# KiCad board sun3_60_layout2_routing2.kicad_pcb (continued)
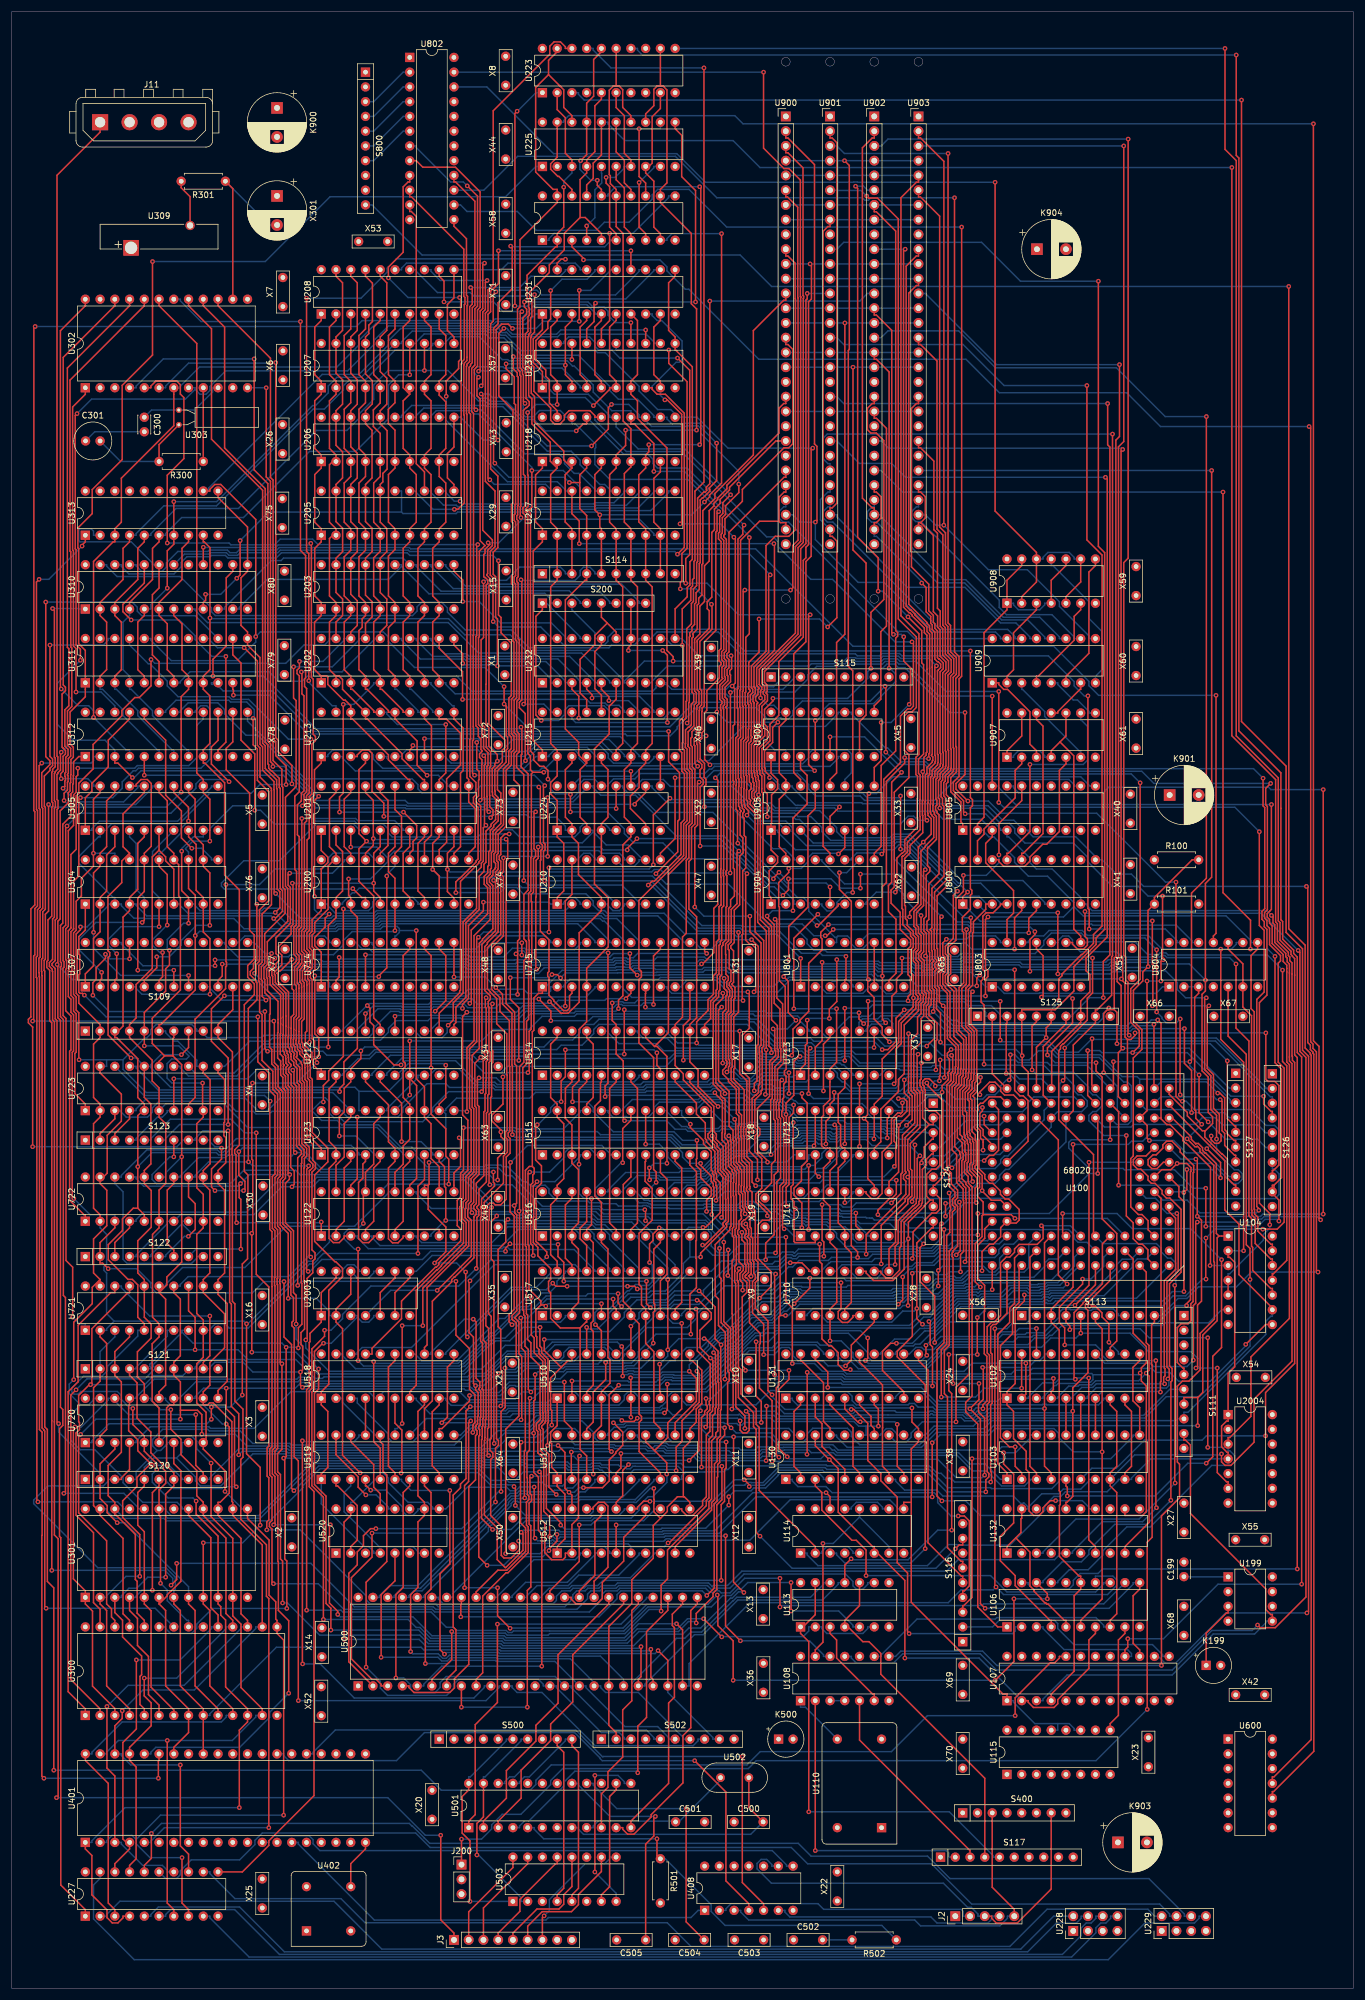
[diagram p0: board, top side]
## Routing (per net, layer and track width the routed paths; a pad name or vN(x,y) marks a point on that pad's centre or on a via; arc(x,y) is an arc through that point) (continued)
/S8A Memory/PA19: length 264.2
  Top w0.25: v1(116.36,217.87) 116.64,218.14 116.64,221.35 116.75,221.46 116.75,232.67 116.89,232.82 116.89,232.92 116.81,233 116.81,233.37 117.2,233.76 117.2,234.39 117.65,234.84 117.65,238.36 117.91,238.62 117.91,240.3 118.46,240.85 118.46,245.32 118.62,245.48 118.62,256.27 119,256.65 119.13,256.65 120.28,257.8 120.28,258.12 120.17,258.23 120.17,258.33 121.45,259.61 v1(121.45,266.06) ; U207.14 v1(68.58,277.82) ; v1(120.3,210.66) 119.38,211.59 119.38,215.41 v1(119.64,215.67) ; U310.4 20.32,238.63 24.27,242.58 24.27,247.95 25.4,249.07 U313.6
  Bottom w0.25: U312.8 30.48,213.23 30.2,213.23 24.27,219.15 24.27,220 20.6,223.67 20.32,223.67 U311.4 20.32,225.93 19.19,227.05 19.19,235.25 20.32,236.37 U310.4 ; v1(119.64,215.67) 118.56,215.67 v1(116.36,217.87) ; U313.6 26.53,250.2 26.53,250.48 29.29,253.25 39.94,253.25 51.33,264.64 59.26,264.64 64.91,270.29 64.91,276.07 66.67,277.82 v1(68.58,277.82) ; U905.11 143.53,208.15 144.65,209.27 144.65,212.59 144.01,213.24 137.94,213.24 137.32,212.61 137.32,211.91 136.26,210.85 120.49,210.85 v1(120.3,210.66) ; v1(121.45,266.06) 119.17,268.34 119.17,268.79 118.48,269.48 115.92,269.48 115.83,269.39 113.73,269.39 112.89,270.24 112.89,270.52 U218.12 110.63,270.52 110.63,270.8 107.82,273.62 104.53,273.62 103.01,275.13 103.01,275.83 97.65,281.19 87.81,281.19 84.82,284.19 82.32,284.19 81.65,284.86 71.06,284.86 69.71,283.5 69.71,283.22 U207.14
/S8A Memory/PA20: length 227.4
  Top w0.25: v1(26.81,241.09) 26.81,247.52 27.94,248.65 U313.7 v1(27.94,255.99) ; U311.5 22.86,225.93 21.73,227.05 21.73,235.25 22.86,236.37 U310.5 ; U905.14 135.91,208.15 134.73,209.33 134.73,229.77 136.83,231.87 136.83,245.67 137.73,246.58 137.73,264.93 v1(138.01,265.2)
  Bottom w0.25: U310.5 23.99,237.5 23.99,238.26 v1(26.81,241.09) ; v1(27.94,255.99) 35.32,255.99 51.87,272.54 52.36,272.54 54.55,274.73 54.55,275.91 56.04,277.39 60.21,277.39 U207.15 67.17,283.22 67.17,283.5 69.01,285.34 81.81,285.34 82.03,285.12 83.53,285.12 83.63,285.22 83.73,285.22 84.31,284.64 85.12,284.64 87.76,282 100.59,282 100.95,281.64 102.28,281.64 108.09,275.83 108.09,275.04 111.3,271.84 113.55,271.84 114.86,270.52 ; 114.86,270.52 U218.11 ; 114.86,270.52 118.08,270.52 123.39,265.2 v1(138.01,265.2)
/S8A Memory/PA21: length 113.7
  Top w0.25: v1(128.55,216.15) 128.83,216.44 128.83,216.6 128.34,217.08 128.34,221.12 128.52,221.3 128.52,221.4 128.16,221.76 128.16,222.36 128.57,222.76 128.57,223.63 128.75,223.81 128.75,223.89 128.34,224.3 128.34,224.33 128.34,224.33 128.34,227.32 131.41,230.39 131.41,248.66 v1(131.32,248.76) ; v1(97.79,248.76) 97.79,252.64 96.52,253.91 U217.18
  Bottom w0.25: v1(128.55,216.15) 131.48,213.23 133.37,213.23 U906.2 ; U217.18 95.39,257.82 95.39,258.03 94.01,259.42 85.41,259.42 74.79,270.04 74.79,270.52 U206.12 ; v1(131.32,248.76) v1(97.79,248.76)
/S8A Memory/PA22: length 177.7
  Top w0.25: v1(89.62,261.34) 89.62,255.05 89.32,254.75 89.2,254.75 88.98,254.52 88.98,254.43 89.38,254.03 89.38,213.04 89.93,212.49 89.93,211.49 91,210.42 91.69,210.42 92.39,209.71 v1(92.39,208.2) ; v1(96.26,205.58) v1(96.26,202.57) ; v1(126.67,191.93) 126.45,191.71 126.45,180.49 127.13,179.81 127.5,179.81 128.17,179.13 128.17,171.87 v1(127.88,171.58)
  Bottom w0.25: v1(92.39,208.2) 92.78,207.82 92.78,206.58 93.69,205.67 96.17,205.67 v1(96.26,205.58) ; 142.11,173.41 142.11,172.46 U801.3 ; 142.11,173.41 142.28,173.58 144.09,173.58 144.94,172.74 144.94,172.46 U801.5 ; 142.11,173.41 141.39,173.41 141.34,173.47 141.34,173.55 141.27,173.62 134.08,173.62 132.03,171.58 v1(127.88,171.58) ; v1(126.67,191.93) 126.66,191.93 124.1,194.49 114.93,194.49 112.2,197.23 107.16,197.23 105.55,198.84 105.55,199.63 102.62,202.57 v1(96.26,202.57) ; U206.13 72.25,270.52 72.25,270.74 73.16,271.65 79.11,271.65 79.68,271.07 80.43,271.07 89.62,261.89 v1(89.62,261.34) 95.04,261.34 97.93,258.45 97.93,257.82 U217.17
/S8A Memory/PA22/02: length 57.1
  Top w0.25: v1(153.3,209.38) 151.6,207.68 151.6,190.45 151.04,189.89 151.04,185.39 152.34,184.09 152.34,174.78 151.15,173.58 U801.7 ; v1(140.99,215.48) U906.5
  Bottom w0.25: v1(153.3,209.38) 153.04,209.38 146.94,215.48 v1(140.99,215.48)
/S8A Memory/PA23: length 92.8
  Top w0.25: v1(79.98,271.8) 79.71,272.08 79.71,278.75 80.07,279.11 80.07,279.13 80.26,279.32 80.26,288.99 80.71,289.44 80.71,309.32 76.46,313.57 70.83,313.57 69.71,314.69 68.58,314.69
  Bottom w0.25: U206.14 69.71,270.52 69.71,270.8 71,272.1 79.68,272.1 v1(79.98,271.8) 80.84,271.8 88.42,264.22 94.32,264.22 95.25,263.3 95.25,262.53 96.93,260.85 97.72,260.85 100.47,258.1 100.47,257.82 U217.16
/S8A Memory/PA24: length 98.5
  Top w0.25: v1(77.17,291.13) 77.35,290.96 77.35,280.47 77,280.12 77,278.89 74.87,276.76 v1(74.87,274.13) ; v1(64.91,294.51) 64.91,296.38 67.45,298.93 67.45,310.18 68.3,311.03 68.58,311.03 U802.9
  Bottom w0.25: U206.15 67.17,270.52 67.17,270.8 68.92,272.55 74.87,272.55 ; v1(64.91,294.51) 68.29,291.13 v1(77.17,291.13) ; 74.87,272.55 81.68,272.55 81.88,272.35 84.61,272.35 92.28,264.67 96.39,264.67 97.93,263.13 97.93,262.34 101.33,258.95 102.17,258.95 103.01,258.1 103.01,257.82 U217.15 ; 74.87,272.55 v1(74.87,274.13)
/S8A Memory/PA25: length 93.2
  Top w0.25: U802.10 68.58,308.49 68.86,308.49 77.9,299.45 77.9,291.35 78.09,291.15 78.09,290.02 77.98,289.91 77.98,280.47 77.53,280.01 77.53,279.76 77.45,279.68 77.45,256.26 v1(77.25,256.06)
  Bottom w0.25: U217.14 105.55,257.82 105.55,257.58 103.77,255.8 100.46,255.8 100.25,255.59 77.73,255.59 v1(77.25,256.06) 76.26,256.06 74.79,257.54 74.79,257.82 U205.12
/S8A Memory/PA26: length 91.1
  Top w0.25: U205.13 71.12,261.1 69.71,262.51 69.71,305.1 68.86,305.95 68.58,305.95 U802.11
  Bottom w0.25: U217.13 108.09,257.82 108.09,257.54 105.91,255.35 100.65,255.35 100.43,255.13 76.83,255.13 76.57,255.39 74.4,255.39 72.25,257.54 72.25,257.82 U205.13
/S8A Memory/PA27: length 98.3
  Top w0.25: v1(76.27,254.66) 76.88,254.66 77.98,255.77 77.98,270.85 77.9,270.94 77.9,279.49 77.98,279.58 77.98,279.83 78.44,280.28 78.44,280.86 78.45,280.87 78.45,289.74 78.55,289.83 78.55,291.34 78.35,291.53 78.35,301.26 76.2,303.41 U802.13
  Bottom w0.25: U217.12 110.63,257.82 110.63,257.63 107.9,254.9 100.83,254.9 100.6,254.66 v1(76.27,254.66) 72.6,254.66 69.71,257.56 69.71,257.82 U205.14
/S8A Memory/PA28: length 99.5
  Top w0.25: v1(33.41,240.03) 33.41,239.02 33.02,238.63 U310.9 ; v1(39.37,249.28) 39.37,243.37 v1(38.78,242.79)
  Bottom w0.25: 67.17,254.19 67.17,257.82 U205.15 ; 67.17,254.19 67.42,253.94 76.57,253.94 76.83,254.19 100.77,254.19 101.02,254.45 110.08,254.45 113.17,257.54 113.17,257.82 U217.11 ; 67.17,254.19 44.28,254.19 v1(39.37,249.28) ; v1(33.41,240.03) 36.02,240.03 v1(38.78,242.79)
/S8A Memory/R.ACK: length 176.6
  Top w0.25: U804.3 204.48,171.33 203.79,170.64 203.79,151.29 203.99,151.09 203.99,149.81 v1(205.01,148.79) ; v1(198.07,55.6) 198.07,81.34 201.19,84.45 201.19,90.26 200.82,90.63 200.82,103.69 201.68,104.56 202.8,104.56 204.74,106.5 204.74,112.78 207.19,115.23 207.19,125.03 207.08,125.14 207.08,141.72 204.7,144.09 204.7,144.56 204.29,144.97 204.19,144.97 204.13,144.92 203.85,144.92 202.5,146.27 v1(202.5,146.27)
  Bottom w0.25: U108.8 152.27,57.16 153.18,58.07 167.26,58.07 169.73,55.6 v1(198.07,55.6) ; v1(205.01,148.79) 205.01,148.77 v1(202.5,146.27) ; U804.3 U804.2
/S8A Memory/RAS: length 94.9
  Top w0.25: v1(210.92,176.37) 210.92,165.34 213.14,163.12 213.14,133.03 213.6,132.58 213.6,127.78 213.79,127.59 213.79,123.62 216.9,120.51 217.18,120.51 U104.10
  Bottom w0.25: v1(210.92,176.37) 209.81,177.48 199.02,177.48 198.66,177.84 198.05,177.84 197.78,177.57 191.26,177.57 190.33,178.49 184.1,178.49 182.75,179.84 182.75,180.54 182.09,181.2 181.06,181.2 180.21,180.36 180.21,180.08 U803.10
/S8A Memory/RAS-: length 154.2
  Top w0.25: 180.59,214.61 182.97,212.23 182.97,182.4 184.16,181.2 184.16,180.08 ; 180.59,214.61 179.09,213.1 U907.4 ; 180.59,214.61 181.62,215.64 U907.10 ; U907.13 174,215.64 171.47,213.1 U907.1 ; U104.11 217.18,123.05 217.36,123.05 219.66,125.35 219.66,158.86 218.94,159.58 v1(218.94,175.32)
  Bottom w0.25: 184.16,180.08 185.29,180.08 185.42,180.21 193.51,180.21 195.69,178.02 197.59,178.02 197.87,178.29 198.84,178.29 199.21,177.93 216.34,177.93 v1(218.94,175.32) ; U907.1 172.59,211.97 172.59,212.25 173.44,213.1 177.11,213.1 177.96,212.25 177.96,211.97 U907.4
/S8A Memory/RE00-: length 20.8
  Top w0.25: U907.2 174,210.85 172.88,209.72 172.88,204.99 167.51,199.63 167.51,198.73 166.38,197.6 U800.19
/S8A Memory/RE01-: length 28.3
  Top w0.25: U800.18 170.05,194.32 170.05,194.04 170.9,193.19 174.51,193.19 175.42,194.1 175.42,194.79 177.62,197 178.3,197 180.5,199.2 180.5,209.72 181.62,210.85 U907.5
/S8A Memory/RE02-: length 37
  Top w0.25: U800.17 171.47,195.45 171.71,195.45 175.42,199.16 v1(175.42,210.74)
  Bottom w0.25: v1(175.42,210.74) 184.61,210.74 185.36,211.49 185.36,217.28 184.16,218.47 U907.9
/S8A Memory/RE03-: length 27.4
  Top w0.25: U800.16 174,195.45 174.29,195.45 177.67,198.83 177.67,217.34 176.55,218.47 U907.12
/S8A Memory/SEL0-: length 27.9
  Top w0.25: U800.5 174,185.57 172.77,184.34 v1(172.77,178.94)
  Bottom w0.25: v1(172.77,178.94) 165.37,178.94 164.35,179.96 161.74,179.96 161.65,179.87 155.02,179.87 154.81,180.08 U801.9
/S8A Memory/SEL1: length 35.3
  Top w0.25: v1(175.22,181.75) 175.22,184.25 176.55,185.57 U800.6
  Bottom w0.25: v1(175.22,181.75) 164.96,181.75 164.81,181.6 147.59,181.6 U801.12
/S8A Memory/TWOWAY-: length 198.8
  Top w0.25: U802.16 76.2,311.03 76.48,311.03 79.81,307.7 79.81,289.81 79.35,289.36 79.35,279.92 79.06,279.62 79.06,279.37 78.8,279.12 78.8,271.31 79.06,271.06 79.06,215.12 78.95,215.01 78.95,208.67 79.98,207.64 79.98,205.5 79.55,205.07 79.55,204.1 80.25,203.41 80.36,203.29 80.36,194.46 80.01,194.11 80.01,193.92 77.19,191.11 77.12,191.11 76.52,190.52 v1(76.52,188.67) ; U801.1 135.91,173.58 135.92,173.59 v1(135.92,177.35)
  Bottom w0.25: v1(76.52,188.67) 84.15,188.67 85.02,189.54 87.03,189.54 88.11,188.47 98.93,188.47 100.19,187.21 100.19,186.5 101.11,185.57 102.14,185.57 102.6,185.11 112.4,185.11 115.92,181.6 124.41,181.6 124.91,181.1 125.51,181.1 125.95,181.53 131.73,181.53 v1(135.92,177.35)
/SCC.IRQ-: length 172.4
  Top w0.25: v1(44.31,27.67) 44.31,67.11 43.9,67.52 43.9,76.37 39.48,80.79 39.48,91.08 39.85,91.45 39.85,99.74 38.46,101.12 38.46,117.87 38.04,118.29 38.04,143.52 37.97,143.59 37.97,144.56 38.04,144.63 38.04,161.23 35.56,163.71 S109.10 35.56,165.96 38.1,168.5 U307.11
  Bottom w0.25: U401.5 23.99,25.13 23.99,25.34 26.32,27.67 v1(44.31,27.67)
/SCSI 2, Parity/IO.D0: length 530.9
  Top w0.25: U302.15 35.56,289.71 44.59,280.68 44.59,260.14 45.04,259.69 45.04,215.16 45.49,214.7 45.49,212.27 47.28,210.48 v1(47.28,207.28) ; U227.3 17.78,13.56 16.65,14.69 16.65,35.3 12.7,39.25 U401.40 ; U123.3 58.42,142.39 57.29,141.27 57.29,132.08 55.88,130.67 U122.2 ; v1(33.02,76.73) U301.9 33.02,66.19 34.15,65.07 34.15,52.08 38.1,48.13 U300.11 ; U721.2 15.24,112.18 16.37,111.05 16.37,96.23 15.24,95.11 U720.2 ; v1(42.82,79.75) 42.82,89.71 40.47,92.06 v1(40.47,114.43) ; U722.2 15.24,133.21 14.11,134.33 14.11,148.89 15.24,150.01 U723.2 15.24,152.27 14.11,153.39 14.11,162.58 15.24,163.71 S109.2 15.24,165.96 11.57,169.63 11.57,170.88 11.12,171.33 11.12,174.71 11.28,174.87 11.28,177.72 11.12,177.88 11.12,181.55 11.86,182.29 v1(11.86,182.77)
  Bottom w0.25: U304.3 17.78,187.83 17.5,187.83 11.55,193.77 11.55,194.87 14.96,198.27 15.24,198.27 U305.2 16.37,199.4 16.37,199.68 17.21,200.53 28.88,200.53 34.11,205.76 41.25,205.76 42.77,207.28 v1(47.28,207.28) ; U304.3 16.65,186.7 16.65,186.42 13.01,182.77 v1(11.86,182.77) ; U304.3 18.91,186.7 18.91,186.42 21.06,184.27 22.83,184.27 22.89,184.21 38.28,184.21 40.04,182.45 55.76,182.45 56.18,182.86 63.35,182.86 63.8,183.31 97.52,183.31 100.47,180.36 100.47,180.08 U715.20 ; U122.2 54.75,129.54 54.75,128.49 52.27,126 52.27,125.62 51.84,125.19 51.06,125.19 47.79,121.92 47.79,121.53 40.69,114.43 v1(40.47,114.43) 40.02,114.88 17.66,114.88 ; U722.2 15.24,130.95 16.37,129.83 16.37,124.68 15.91,124.22 15.91,123.61 16.37,123.16 16.37,116.18 17.66,114.88 ; U721.2 16.37,113.31 16.37,113.59 17.66,114.88 ; U300.11 36.97,47 36.97,46.72 36.13,45.87 19.04,45.87 13.83,40.66 13.83,40.38 U401.40 ; v1(42.82,79.75) 39.8,76.73 v1(33.02,76.73)
/SCSI 2, Parity/IO.D1: length 522.2
  Top w0.25: U723.5 22.86,151.4 ; 22.86,151.4 21.73,150.27 v1(21.73,141.48) 21.73,134.33 ; 22.86,151.4 22.86,152.27 21.73,153.39 21.73,160.07 18.1,163.71 17.78,163.71 17.78,164.27 ; U721.5 22.86,114.43 21.73,115.56 21.73,121.13 20.79,122.07 20.06,122.07 16.65,125.47 16.65,128.06 19.1,130.5 19.1,132.48 20.95,134.33 21.73,134.33 ; v1(20.88,99.85) 20.88,97.08 22.86,95.11 U720.5 22.86,92.49 25.01,90.34 v1(25.01,89.33) ; U305.5 22.86,198.27 21.73,197.15 21.73,189.24 20.32,187.83 U304.4 20.32,185.57 19.19,184.45 19.19,165.69 17.78,164.27 ; U401.1 12.7,24.01 13.83,22.88 13.83,16.1 16.43,13.5 16.43,12.19 17.34,11.27 18.31,11.27 19.19,12.15 19.19,12.44 U227.4 ; v1(31.78,83.91) 31.78,81.65 35.56,77.88 U301.10 35.56,66.19 36.03,65.73 36.03,64.26 36.86,63.42 36.86,51.9 40.64,48.13 U300.12 40.64,45.87 39.23,44.46 v1(39.23,31.12) ; U122.5 62.37,129.54 62.37,129.26 61.53,128.41 60.47,128.41 59.76,129.12 59.76,138.77 60.51,139.51 60.51,141.94 60.96,142.39 U123.4 ; 21.73,134.33 22.86,133.21 U722.5 ; U302.16 33.02,289.71 36.69,286.05 36.69,265.23 43.69,258.23 43.69,214.6 44.14,214.14 44.14,210.85 44.29,210.7 44.29,210.09 44.71,209.66 44.79,209.66 46.1,208.35 46.1,206.79 46.27,206.62 46.27,189.4 46.66,189 46.66,185.46 45.41,184.21 v1(45.15,184.21) ; S109.3 17.78,164.27
  Bottom w0.25: U715.19 103.01,180.08 103.01,180.36 99.61,183.76 63.61,183.76 63.17,183.31 55.99,183.31 55.58,182.9 46.46,182.9 v1(45.15,184.21) 44.7,184.66 23.26,184.66 21.45,186.47 21.45,186.7 U304.4 ; v1(31.78,83.91) 31.25,84.44 26.95,84.44 24.23,87.15 24.23,88.56 v1(25.01,89.33) ; v1(21.73,141.48) 24.16,143.91 35.26,143.91 35.67,143.5 36.65,143.5 38.3,145.14 58.49,145.14 59.83,143.8 59.83,143.52 U123.4 ; U401.1 13.83,25.13 13.83,25.42 19.53,31.12 v1(39.23,31.12) ; v1(20.88,99.85) 20.46,99.85 18.91,101.4 18.91,102.08 18.21,102.77 11.92,102.77 11.46,102.31 10.77,102.31 10.37,102.71 10.37,103.39 12.39,105.41 15.56,105.41 16.51,106.36 16.51,107.09 21.73,112.31 21.73,113.31 U721.5
/SCSI 2, Parity/IO.D2: length 501.3
  Top w0.25: 25.38,195.97 25.4,195.98 U305.6 ; 25.38,195.97 26.53,194.82 26.53,194.14 27.94,192.73 U304.7 ; 25.38,195.97 24.23,194.81 24.23,175.63 21.45,172.85 21.45,167.09 20.32,165.96 S109.4 20.32,163.71 24.21,159.82 24.21,156.24 25.4,155.05 U723.6 25.4,150.01 26.55,148.87 26.55,138.6 25.4,137.46 U722.6 25.4,130.95 24.27,129.83 24.27,115.56 25.4,114.43 U721.6 25.4,112.18 24.21,110.99 24.21,101.11 25.4,99.92 U720.6 ; U123.7 68.58,142.39 67.45,141.27 67.45,132.08 66.04,130.67 U122.6 ; v1(45.42,185.26) 46.21,186.05 46.21,188.82 45.75,189.28 45.75,206.51 45.65,206.6 45.65,208.08 43.69,210.05 43.69,213.96 43.24,214.41 43.24,257.94 34.43,266.74 34.43,285.76 30.48,289.71 U302.17 ; U300.13 43.18,48.13 39.51,51.79 39.51,62.71 38.1,64.12 U301.11 38.1,77.48 34.36,81.22 v1(34.36,90.44) ; U227.7 27.94,13.56 26.81,14.69 v1(26.81,42.68)
  Bottom w0.25: U401.39 16.37,40.38 16.37,40.66 18.39,42.68 v1(26.81,42.68) 38.02,42.68 42.05,46.72 42.05,47 U300.13 ; v1(34.36,90.44) 31.89,92.91 31.89,94.2 30.98,95.11 26.53,95.11 U720.6 ; U723.6 26.56,152.3 36.58,152.3 40.65,148.23 62.97,148.23 67.45,143.74 67.45,143.52 U123.7 ; U304.7 29.07,186.7 29.07,186.42 30.37,185.12 45.28,185.12 v1(45.42,185.26) 47.33,183.35 55.39,183.35 55.8,183.77 62.98,183.77 63.42,184.21 101.36,184.21 101.81,183.76 102.12,183.76 105.55,180.33 105.55,180.08 U715.18
/SCSI 2, Parity/IO.D3: length 532.1
  Top w0.25: v1(27.19,178.73) 27.19,176.21 26.53,175.55 26.53,171.7 22.86,168.03 S109.5 v1(22.86,162.28) ; 69.99,130.67 69.99,138.13 71.12,139.26 U123.8 ; 69.99,130.67 73.66,130.67 U122.9 ; 69.99,130.67 v1(69.99,126.54) ; U227.8 30.48,13.56 29.35,14.69 v1(29.35,22.51) ; v1(46.86,29.82) 46.86,59.98 45.72,61.11 U300.15 45.72,63.37 45.5,63.59 45.5,66.56 44.35,67.71 44.35,77.19 40.64,80.9 U301.13 ; v1(29.29,195.8) 29.29,189.02 30.48,187.83 U304.8 v1(30.48,183.4) ; v1(49.76,287) 49.76,247.59 50.64,246.71 50.64,225.64 50.46,225.46 50.46,224.17 50.82,223.82 50.82,206.02 50.37,205.57 50.37,203.89 v1(50.09,203.61) ; 33.02,150.58 32.9,150.7 v1(32.9,155.89) ; 33.02,150.58 U723.9 ; 33.02,150.58 33.02,150.01 31.89,148.89 31.89,137.84 33.02,136.71 U722.9 33.02,130.95 31.89,129.83 31.89,116.2 33.02,115.07 U721.9 33.02,108.69 31.89,107.55 31.89,100.8 33.49,99.19 33.49,94.45 U720.9 33.02,92.85 36.76,89.11 v1(36.76,85.57)
  Bottom w0.25: v1(69.99,126.54) 53.7,126.54 52.72,125.56 52.72,125.43 52.03,124.74 51.33,124.74 50.19,123.6 50.19,123.12 40.75,113.69 37.47,113.69 36.72,114.43 35.08,114.43 34.15,113.5 34.15,113.31 U721.9 ; v1(49.76,287) 32.62,287 29.07,290.56 29.07,290.84 U302.18 ; 21.45,25.64 20.74,26.35 17.3,26.35 16.37,25.42 16.37,25.13 U401.2 ; 21.45,25.64 25.64,29.82 v1(46.86,29.82) ; 21.45,25.64 21.45,24.9 23.83,22.51 v1(29.35,22.51) ; U301.13 39.51,82.56 39.51,82.81 v1(36.76,85.57) ; U304.8 31.61,186.7 31.61,186.42 32.45,185.57 43.09,185.57 43.5,185.99 46.26,185.99 48.45,183.8 55.2,183.8 55.62,184.22 62.79,184.22 63.24,184.66 101.55,184.66 102,184.21 104.24,184.21 108.09,180.36 108.09,180.08 U715.17 ; v1(30.48,183.4) 29.62,183.4 26.81,180.59 26.81,179.11 v1(27.19,178.73) ; v1(32.9,155.89) 27.62,155.89 26.78,156.73 26.78,159.23 27.56,160.02 30.11,160.02 30.53,160.44 30.53,160.55 28.8,162.28 v1(22.86,162.28) ; v1(29.29,195.8) 29.29,196.24 31.32,198.27 33.02,198.27 U305.9 34.15,199.4 34.15,199.68 38.08,203.61 v1(50.09,203.61)
/SCSI 2, Parity/IO.D4: length 412.4
  Top w0.25: v1(19.05,47.8) 19.05,46.47 17.78,45.2 U401.38 ; U227.13 30.48,23.12 29.07,24.54 v1(29.07,38.48) ; v1(34.15,197.53) 34.15,204.77 33.02,205.89 U305.12 33.02,208.15 31.89,209.27 31.89,283.22 25.4,289.71 U302.19 ; U304.13 30.48,189.38 31.64,188.22 v1(31.64,181.26) 31.64,171.92 25.68,165.96 25.4,165.96 S109.6 ; U723.12 33.02,157.63 34.19,156.46 34.19,142 33.02,140.83 U722.12 33.02,138.57 34.15,137.45 34.15,123.18 33.02,122.05 U721.12 33.02,119.8 36.69,116.13 36.69,110.3 34.15,107.76 34.15,103.85 33.02,102.73 U720.12 33.02,100.47 33.77,100.47 34.11,100.81 34.71,100.81 37.94,97.59 37.94,83.85 38.1,83.69 U301.14 38.1,81.43 43.18,76.35 U300.16 ; U122.12 73.66,141.48 72.25,142.89 72.25,148.89 71.12,150.01 U123.13 71.12,155.2 69.71,156.62 v1(69.71,182.14)
  Bottom w0.25: v1(34.15,197.53) 31.22,197.53 29.96,196.27 29.96,196.17 30.48,195.65 U304.13 ; U723.12 31.89,158.76 31.89,159.83 28.62,163.1 27.99,163.1 26.53,164.56 26.53,164.84 S109.6 ; 66.79,182.14 66.79,181.81 66.18,181.2 66.04,181.2 U714.15 ; 66.79,182.14 v1(69.71,182.14) ; 66.79,182.14 66.79,182.47 66.41,182.85 63.98,182.85 63.54,182.41 56.36,182.41 55.95,182 32.37,182 v1(31.64,181.26) ; U401.38 18.91,40.38 18.91,40.09 20.52,38.48 v1(29.07,38.48) ; U300.16 42.05,62.24 42.05,61.96 31.48,51.38 22.63,51.38 v1(19.05,47.8)
/SCSI 2, Parity/IO.D5: length 450.1
  Top w0.25: v1(9.04,204.53) 9.04,205.78 9.62,206.36 9.62,207.69 9.73,207.8 9.73,208.78 9.62,208.89 9.62,209.04 9.77,209.19 9.77,211.76 10.18,212.17 10.18,213.52 9.62,214.08 9.62,219.95 10.37,220.7 10.37,230.79 10.19,230.96 10.19,247.34 10.06,247.48 10.06,276.91 22.86,289.71 U302.20 ; 26.36,160.56 27.78,160.56 ; 26.36,160.56 25.4,159.61 U723.15 ; 26.36,160.56 24.23,162.69 24.23,167.05 29.08,171.9 29.08,187.79 28.78,188.09 28.78,193.48 U304.14 27.94,195.45 26.81,196.57 26.81,204.48 25.4,205.89 U305.15 ; 27.78,160.56 27.78,163.54 27.94,163.71 S109.7 ; 27.78,160.56 29.3,159.04 v1(29.3,143.18) 29.3,125.05 26.74,122.49 26.74,121.14 25.4,119.8 ; U720.15 25.4,102.73 26.53,103.85 26.53,118.67 25.4,119.8 ; U300.17 40.64,63.37 39.51,64.49 39.51,77.48 35.56,81.43 U301.15 35.56,83.69 35.91,83.69 37.49,85.26 37.49,96.66 v1(36.97,97.18) ; 25.4,119.8 U721.15 ; v1(16.42,48.53) 16.42,37.94 17.78,36.58 U401.3 ; U122.15 66.04,140.51 67.45,141.92 67.45,145.05 68.58,146.18 U123.14 68.58,152.27 67.45,153.4 67.45,158.34 67.81,158.7 67.81,159.3 67.45,159.66 67.45,177.82 68.58,178.95 U714.14
  Bottom w0.25: U305.15 24.27,207.02 24.27,206.74 21.37,203.84 9.73,203.84 v1(9.04,204.53) ; v1(16.42,48.53) 20.07,52.18 29.74,52.18 39.51,61.96 39.51,62.24 U300.17 ; U720.15 26.53,101.6 26.53,101.32 27.38,100.46 33.01,100.46 36.3,97.18 v1(36.97,97.18) ; U401.3 18.91,25.13 18.91,24.85 22.58,21.18 25.97,21.18 26.81,20.34 26.81,20.06 U227.14 ; U721.15 26.53,120.93 26.53,121.21 29.43,124.11 40.18,124.11 47.28,131.22 59.08,131.22 60.29,132.43 60.38,132.43 64.91,136.97 64.91,137.16 U122.15 ; v1(29.3,143.18) 26.53,140.41 26.53,139.7 U722.15
/SCSI 2, Parity/IO.D6: length 451.3
  Top w0.25: U300.18 38.1,63.37 36.92,64.55 36.92,77.54 33.02,81.43 U301.16 33.02,83.7 31.89,84.82 31.89,89.17 29.17,91.89 29.17,94.54 27.42,96.29 v1(27.42,99.64) ; 20.32,195.45 18.97,194.09 18.97,190.39 16.59,188.01 16.59,178.67 16.9,178.36 16.9,177.76 16.62,177.48 16.62,164.15 v1(20.58,160.2) ; 20.32,195.45 19.19,196.57 19.19,202.23 22.86,205.89 U305.16 ; 20.32,195.45 U304.17 ; U723.16 22.86,153.41 23.99,152.28 23.99,141.95 22.86,140.83 U722.16 22.86,138.57 24.05,137.39 24.05,131.04 21.73,128.72 21.73,123.18 22.86,122.05 U721.16 22.86,115.55 24.04,114.37 24.04,111.98 21.67,109.61 21.67,105.28 22.86,104.09 U720.16 ; U227.17 20.32,21.18 21.45,22.31 21.45,38.12 20.32,39.25 U401.37 20.32,41.5 24.04,45.22 24.04,49.17 22.84,50.36 v1(22.84,53.42) ; v1(75.3,138.48) 75.3,142.78 74.79,143.29 74.79,148.02 72.26,150.54 v1(72.26,158.51) 72.26,167.56 72.24,167.59 72.24,168.56 72.26,168.58 72.26,177.8 71.12,178.95 U714.13 ; v1(8.86,206.64) 9.17,206.94 9.17,207.88 9.27,207.99 9.27,208.59 9.17,208.7 9.17,209.23 9.32,209.38 9.32,211.95 9.72,212.36 9.72,213.33 9.17,213.89 9.17,220.14 9.86,220.84 9.86,230.65 9.61,230.91 9.61,279 20.32,289.71 U302.21 ; S109.8 30.48,162 v1(29.25,160.77)
  Bottom w0.25: 59.83,154.46 64.92,154.46 67.31,156.85 67.31,157.55 68.27,158.51 v1(72.26,158.51) ; 59.83,154.46 59.14,155.15 27.38,155.15 23.99,158.54 23.99,158.76 ; 59.83,154.46 59.83,151.14 U123.17 ; v1(8.86,206.64) 11.21,204.29 19.29,204.29 21.73,206.74 21.73,207.02 U305.16 ; U720.16 23.99,101.6 23.99,101.32 25.66,99.64 v1(27.42,99.64) ; v1(20.58,160.2) 21.42,160.2 U723.16 23.99,158.76 ; U122.16 64.82,138.48 v1(75.3,138.48) ; v1(22.84,53.42) 28.43,53.42 36.97,61.96 36.97,62.24 U300.18 ; 23.99,158.76 23.99,159.04 25.71,160.77 v1(29.25,160.77)
/SCSI 2, Parity/IO.D7: length 474.9
  Top w0.25: 15.24,139.14 16.46,140.36 16.46,146.88 18.91,149.32 18.91,153.97 15.24,157.63 U723.19 ; 15.24,139.14 15.24,138.57 16.39,137.42 16.39,131.32 14.11,129.04 14.11,123.18 15.24,122.05 ; 15.24,139.14 U722.19 ; 15.24,122.05 13.9,120.71 13.9,117.9 10.7,114.7 v1(10.7,104.81) ; 15.24,122.05 U721.19 ; v1(21.49,56.56) 21.49,44.67 19.17,42.34 19.17,25.73 20.32,24.57 ; U122.19 55.88,141.73 57.29,143.14 57.29,148.89 58.42,150.01 U123.18 ; v1(11.62,159.89) 11.57,159.94 11.57,167.99 11.12,168.44 11.12,170.69 10.67,171.15 10.67,174.9 10.83,175.06 10.83,177.53 10.67,177.69 10.67,181.73 11.12,182.19 11.12,187.19 12.02,188.09 12.02,191.15 14.1,193.22 v1(14.1,195.45) 14.1,204.75 15.24,205.89 U305.19 ; 20.32,24.57 20.32,24.01 17.78,21.47 U227.18 ; 20.32,24.57 U401.4 ; U300.19 35.56,64.3 34.32,65.54 34.32,77.6 30.48,81.43 U301.17 ; v1(72.97,168.26) 74.79,170.08 74.79,177.82 73.66,178.95 U714.12 ; U302.22 17.78,289.71 8.89,280.82 8.89,224.42 9.27,224.04 9.27,223.44 8.69,222.86 8.69,213.73 8.85,213.57 9.27,213.15 9.27,212.54 8.87,212.14 8.87,209.56 8.44,209.14 8.44,208.4 v1(8.55,208.29)
  Bottom w0.25: S109.9 32.57,164.84 ; 32.57,164.84 31.89,164.84 31.89,165.12 31.05,165.96 24.88,165.96 23.99,165.06 23.99,164.37 23.27,163.65 22.96,163.65 19.19,159.89 ; 32.57,164.84 33.7,163.7 43.08,163.7 43.48,164.11 51.82,164.11 52.22,163.7 61.48,163.7 62.23,164.45 62.23,165.18 65.26,168.21 66.72,168.21 66.9,168.04 72.75,168.04 v1(72.97,168.26) ; U305.19 14.11,207.02 14.11,207.3 13.12,208.29 v1(8.55,208.29) ; 11.9,100.47 10.19,98.77 10.19,94.4 11.84,92.75 14.33,92.75 19.19,87.89 19.19,87.07 22.58,83.69 28.51,83.69 29.35,82.84 29.35,82.56 U301.17 ; 11.9,100.47 9.92,102.45 9.92,104.03 v1(10.7,104.81) ; 11.9,100.47 13.26,100.47 14.11,101.32 14.11,101.6 U720.19 ; 16.37,159.89 v1(11.62,159.89) ; 16.37,159.89 19.19,159.89 ; 16.37,159.89 16.37,158.76 U723.19 ; v1(14.1,195.45) 17.78,195.45 U304.18 ; U123.18 55.31,154.25 23.18,154.25 19.19,158.23 19.19,159.89 ; v1(21.49,56.56) 29.03,56.56 34.43,61.96 34.43,62.24 U300.19
/SCSI 2, Parity/PAR0-: length 45.1
  Top w0.25: U715.11 116.84,166.89 115.71,165.76 v1(115.71,159.82)
  Bottom w0.25: v1(115.71,159.82) 115.99,160.09 128.15,160.09 128.78,159.47 134.89,159.47 135.01,159.59 135.33,159.28 136.31,159.28 136.39,159.36 136.5,159.36 136.51,159.34 142.69,159.34 143.02,159.02 143.35,159.02 144.94,157.43 144.94,157.22 U713.5
/SCSI 2, Parity/PAR1-: length 67.7
  Top w0.25: v1(126.83,171.57) 127.07,171.33 127.07,165.29 126.59,164.81 126.56,164.81 125.87,164.12 125.87,157.92 127.1,156.69 127.1,147.9 126.99,147.79 126.99,147.19 127.1,147.08 127.1,144.12 128.48,142.73 v1(128.48,139.21)
  Bottom w0.25: U712.5 144.94,143.52 144.94,143.24 142.19,140.49 138.73,140.49 137.45,139.21 v1(128.48,139.21) ; U715.10 115.43,172.46 115.43,172.66 116.38,173.61 121.35,173.61 123.39,171.57 v1(126.83,171.57)
/SCSI 2, Parity/PAR2-: length 77.2
  Top w0.25: v1(145.43,133.49) 145.43,131.3 146.06,130.67 U711.5 ; v1(122.52,171.35) 122.52,170.49 121.32,169.28 121.32,155.91 122.87,154.36 v1(122.87,154.05) ; v1(133.54,134.69) 133.42,134.8 133.42,137.92 133.92,138.42 133.92,149.98 134.7,150.76 v1(134.7,152.11)